# Allegro board 1281021_HW-FMC-XM500_Rev1_0.brd (continued)
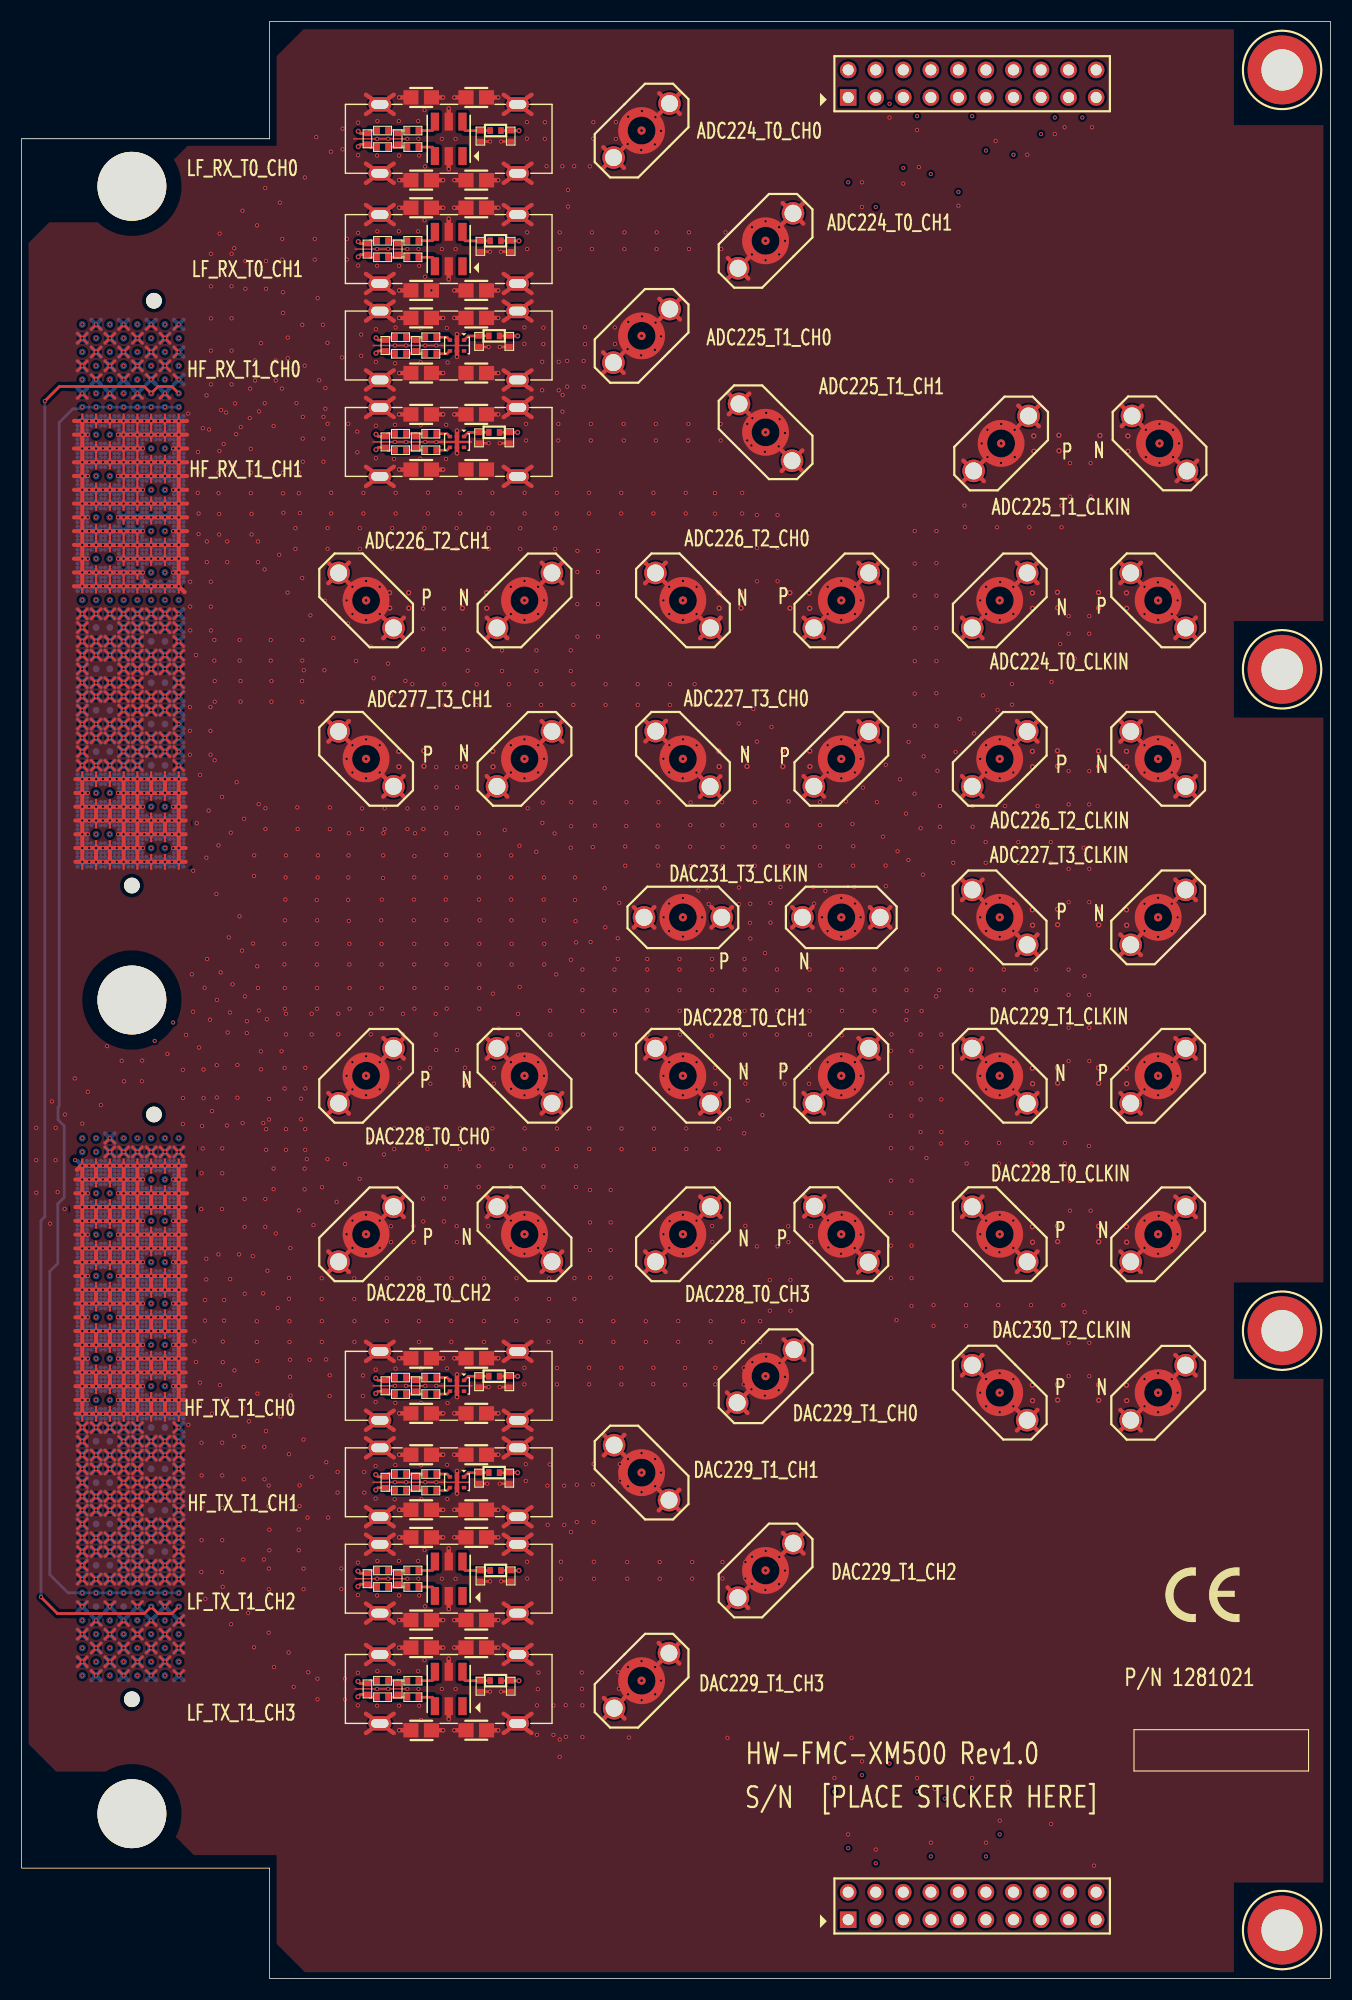
[diagram p0: board, top side]
## Routing (per net, layer and track width the routed paths; a pad name or vN(x,y) marks a point on that pad's centre or on a via; arc(x,y) is an arc through that point) (continued)
14.85,123.6 ; v2(14.48,123.22) 14.85,122.85 ; v2(10.67,124.49) 11.04,124.87 ; v2(10.67,124.49) 10.29,124.12 ; v2(10.67,124.49) 10.29,124.87 ; v2(10.67,124.49) 11.04,124.12 ; v2(11.94,49.5) 12.31,49.87 ; v2(11.94,49.5) 11.56,49.87 ; v2(11.94,49.5) 11.56,49.12 ; v2(11.94,49.5) 12.31,49.12 ; 9.02,47.33 v2(9.4,46.96) ; v2(9.4,46.96) 9.77,46.58 ; v2(9.4,46.96) 9.02,46.58 ; v2(9.4,46.96) 9.77,47.33 ; 7.75,113.96 v2(8.13,114.33) ; v2(8.13,114.33) 8.5,114.71 ; v2(8.13,114.33) 7.75,114.71 ; v2(8.13,114.33) 8.5,113.96 ; 101.42,143.05 J890.2 ; J890.2 103.32,144.95 ; J890.2 103.32,143.05 ; J890.2 101.42,144.95 ; 9.02,122.33 v2(9.4,121.95) ; v2(9.4,121.95) 9.77,121.58 ; v2(9.4,121.95) 9.77,122.33 ; v2(9.4,121.95) 9.02,121.58 ; RFCAGE8.4 34.3,173.61 ; RFCAGE8.4 34.3,171.83 ; RFCAGE8.4 31.74,171.83 ; RFCAGE8.4 31.74,173.61 ; J3.2 72.06,163.63 ; J3.2 72.06,161.73 ; J3.2 70.16,163.63 ; J3.2 70.16,161.73 ; 53.6,149.87 J2.3 ; J2.3 55.51,147.97 ; J2.3 53.6,147.97 ; J2.3 55.51,149.87 ; 5.21,39.71 v2(5.59,39.34) ; v2(5.59,39.34) 5.96,39.71 ; v2(5.59,39.34) 5.21,38.96 ; v2(5.59,39.34) 5.96,38.96 ; J31.2 93.65,128.58 ; J31.2 91.75,130.48 ; J31.2 91.75,128.58 ; J31.2 93.65,130.48 ; 44.44,49.79 RFCAGE3.3 ; RFCAGE3.3 47,48 ; RFCAGE3.3 47,49.79 ; RFCAGE3.3 44.44,48 ; v2(10.67,118.14) 11.04,117.77 ; v2(10.67,118.14) 11.04,118.52 ; v2(10.67,118.14) 10.29,118.52 ; v2(10.67,118.14) 10.29,117.77 ; 14.1,113.96 v2(14.48,114.33) ; v2(14.48,114.33) 14.85,114.71 ; v2(14.48,114.33) 14.85,113.96 ; v2(14.48,114.33) 14.1,114.71 ; v2(14.48,39.34) 14.85,39.71 ; v2(14.48,39.34) 14.1,39.71 ; v2(14.48,39.34) 14.1,38.96 ; v2(14.48,39.34) 14.85,38.96 ; v2(11.94,124.49) 12.31,124.87 ; v2(11.94,124.49) 11.56,124.87 ; v2(11.94,124.49) 11.56,124.12 ; v2(11.94,124.49) 12.31,124.12 ; v2(14.48,149.89) 14.85,150.27 ; v2(14.48,149.89) 14.1,149.52 ; v2(14.48,149.89) 14.85,149.52 ; v2(14.48,149.89) 14.1,150.27 ; v2(14.48,32.99) 14.85,32.61 ; v2(14.48,32.99) 14.1,32.61 ; v2(14.48,32.99) 14.85,33.36 ; v2(14.48,32.99) 14.1,33.36 ; v2(8.13,111.79) 8.5,112.17 ; v2(8.13,111.79) 7.75,111.42 ; v2(8.13,111.79) 7.75,112.17 ; v2(8.13,111.79) 8.5,111.42 ; RFCAGE7.3 47,163.45 ; RFCAGE7.3 44.44,163.45 ; RFCAGE7.3 47,161.67 ; RFCAGE7.3 44.44,161.67 ; 9.02,117.25 v2(9.4,116.87) ; v2(9.4,116.87) 9.02,116.5 ; v2(9.4,116.87) 9.77,116.5 ; v2(9.4,116.87) 9.77,117.25 ; 31.74,167.26 RFCAGE8.1 ; RFCAGE8.1 31.74,165.48 ; RFCAGE8.1 34.3,167.26 ; RFCAGE8.1 34.3,165.48 ; v2(5.59,119.41) 5.96,119.04 ; v2(5.59,119.41) 5.21,119.79 ; v2(5.59,119.41) 5.96,119.79 ; v2(5.59,119.41) 5.21,119.04 ; v2(14.48,115.6) 14.85,115.23 ; v2(14.48,115.6) 14.1,115.23 ; v2(14.48,115.6) 14.85,115.98 ; v2(14.48,115.6) 14.1,115.98 ; v2(10.67,45.69) 11.04,46.06 ; v2(10.67,45.69) 10.29,45.31 ; v2(10.67,45.69) 11.04,45.31 ; v2(10.67,45.69) 10.29,46.06 ; RFCAGE4.4 34.3,56.89 ; RFCAGE4.4 34.3,58.68 ; RFCAGE4.4 31.74,56.89 ; RFCAGE4.4 31.74,58.68 ; 10.29,113.44 v2(10.67,113.06) ; v2(10.67,113.06) 10.29,112.69 ; v2(10.67,113.06) 11.04,112.69 ; v2(10.67,113.06) 11.04,113.44 ; 77.15,128.58 J33.3 ; J33.3 77.15,130.48 ; J33.3 79.05,128.58 ; J33.3 79.05,130.48 ; v2(5.59,36.8) 5.96,36.42 ; v2(5.59,36.8) 5.21,37.17 ; v2(5.59,36.8) 5.21,36.42 ; v2(5.59,36.8) 5.96,37.17 ; v2(9.4,30.45) 9.77,30.07 ; v2(9.4,30.45) 9.77,30.82 ; v2(9.4,30.45) 9.02,30.82 ; v2(9.4,30.45) 9.02,30.07 ; v2(14.48,45.69) 14.85,46.06 ; v2(14.48,45.69) 14.85,45.31 ; v2(14.48,45.69) 14.1,46.06 ; v2(14.48,45.69) 14.1,45.31 ; 10.29,121.06 v2(10.67,120.68) ; v2(10.67,120.68) 10.29,120.31 ; v2(10.67,120.68) 11.04,121.06 ; v2(10.67,120.68) 11.04,120.31 ; 9.02,76.54 v2(9.4,76.17) ; v2(9.4,76.17) 9.77,76.54 ; v2(9.4,76.17) 9.02,75.79 ; v2(9.4,76.17) 9.77,75.79 ; 5.21,46.06 v2(5.59,45.69) ; v2(5.59,45.69) 5.21,45.31 ; v2(5.59,45.69) 5.96,45.31 ; v2(5.59,45.69) 5.96,46.06 ; 86.69,86.67 J895.2 ; J895.2 88.59,84.77 ; J895.2 88.59,86.67 ; J895.2 86.69,84.77 ; 9.02,39.71 v2(9.4,39.34) ; v2(9.4,39.34) 9.02,38.96 ; v2(9.4,39.34) 9.77,38.96 ; v2(9.4,39.34) 9.77,39.71 ; 106.36,125.42 J30.3 ; J30.3 108.26,125.42 ; J30.3 106.36,123.52 ; J30.3 108.26,123.52 ; v2(5.59,118.14) 5.96,118.52 ; v2(5.59,118.14) 5.21,118.52 ; v2(5.59,118.14) 5.21,117.77 ; v2(5.59,118.14) 5.96,117.77 ; 42.87,125.42 J35.2 ; J35.2 42.87,123.52 ; J35.2 44.77,125.42 ; J35.2 44.77,123.52 ; v2(11.94,147.35) 12.31,147.73 ; v2(11.94,147.35) 11.56,147.73 ; v2(11.94,147.35) 11.56,146.98 ; v2(11.94,147.35) 12.31,146.98 ; J40.2 44.77,110.81 ; J40.2 42.87,108.91 ; J40.2 42.87,110.81 ; J40.2 44.77,108.91 ; v2(8.13,119.41) 8.5,119.04 ; v2(8.13,119.41) 7.75,119.04 ; v2(8.13,119.41) 7.75,119.79 ; v2(8.13,119.41) 8.5,119.79 ; 28.27,115.88 J39.2 ; J39.2 28.27,113.98 ; J39.2 30.17,115.88 ; J39.2 30.17,113.98 ; v2(6.86,48.23) 7.23,48.6 ; v2(6.86,48.23) 6.48,48.6 ; v2(6.86,48.23) 7.23,47.85 ; v2(6.86,48.23) 6.48,47.85 ; v2(8.13,148.62) 8.5,148.25 ; v2(8.13,148.62) 8.5,149 ; v2(8.13,148.62) 7.75,149 ; v2(8.13,148.62) 7.75,148.25 ; 11.56,75.79 v2(11.94,76.17) ; v2(11.94,76.17) 12.31,76.54 ; v2(11.94,76.17) 12.31,75.79 ; v2(11.94,76.17) 11.56,76.54 ; v2(13.21,114.33) 13.58,114.71 ; v2(13.21,114.33) 13.58,113.96 ; v2(13.21,114.33) 12.83,114.71 ; v2(13.21,114.33) 12.83,113.96 ; v2(8.13,146.08) 8.5,146.46 ; v2(8.13,146.08) 7.75,146.46 ; v2(8.13,146.08) 8.5,145.71 ; v2(8.13,146.08) 7.75,145.71 ; 5.21,49.87 v2(5.59,49.5) ; v2(5.59,49.5) 5.96,49.87 ; v2(5.59,49.5) 5.21,49.12 ; v2(5.59,49.5) 5.96,49.12 ; v2(10.67,34.26) 11.04,33.88 ; v2(10.67,34.26) 11.04,34.63 ; v2(10.67,34.26) 10.29,33.88 ; v2(10.67,34.26) 10.29,34.63 ; J894.3 108.26,108.91 ; J894.3 106.36,108.91 ; J894.3 106.36,110.81 ; J894.3 108.26,110.81 ; v2(5.59,40.61) 5.96,40.23 ; v2(5.59,40.61) 5.21,40.23 ; v2(5.59,40.61) 5.96,40.98 ; v2(5.59,40.61) 5.21,40.98 ; 53.62,168.77 J4.3 ; J4.3 55.52,166.87 ; J4.3 53.62,166.87 ; J4.3 55.52,168.77 ; v2(11.94,120.68) 12.31,121.06 ; v2(11.94,120.68) 11.56,121.06 ; v2(11.94,120.68) 12.31,120.31 ; v2(11.94,120.68) 11.56,120.31 ; v2(8.13,48.23) 8.5,48.6 ; v2(8.13,48.23) 7.75,48.6 ; v2(8.13,48.23) 7.75,47.85 ; v2(8.13,48.23) 8.5,47.85 ; 14.1,28.28 v2(14.48,27.91) ; v2(14.48,27.91) 14.1,27.53 ; v2(14.48,27.91) 14.85,27.53 ; v2(14.48,27.91) 14.85,28.28 ; J27.3 44.77,84.77 ; J27.3 42.87,84.77 ; J27.3 44.77,86.67 ; J27.3 42.87,86.67 ; J6.2 60.63,30.92 ; J6.2 58.73,29.02 ; J6.2 58.73,30.92 ; J6.2 60.63,29.02 ; v2(8.13,151.16) 8.5,151.54 ; v2(8.13,151.16) 8.5,150.79 ; v2(8.13,151.16) 7.75,150.79 ; v2(8.13,151.16) 7.75,151.54 ; v2(9.4,27.91) 9.77,27.53 ; v2(9.4,27.91) 9.77,28.28 ; v2(9.4,27.91) 9.02,27.53 ; v2(9.4,27.91) 9.02,28.28 ; v2(13.21,38.07) 13.58,37.69 ; v2(13.21,38.07) 12.83,38.44 ; v2(13.21,38.07) 13.58,38.44 ; v2(13.21,38.07) 12.83,37.69 ; 5.21,112.17 v2(5.59,111.79) ; v2(5.59,111.79) 5.96,112.17 ; v2(5.59,111.79) 5.21,111.42 ; v2(5.59,111.79) 5.96,111.42 ; 11.56,152.06 v2(11.94,152.43) ; v2(11.94,152.43) 12.31,152.06 ; v2(11.94,152.43) 12.31,152.81 ; v2(11.94,152.43) 11.56,152.81 ; 11.56,117.25 v2(11.94,116.87) ; v2(11.94,116.87) 11.56,116.5 ; v2(11.94,116.87) 12.31,117.25 ; v2(11.94,116.87) 12.31,116.5 ; v2(5.59,48.23) 5.96,48.6 ; v2(5.59,48.23) 5.21,47.85 ; v2(5.59,48.23) 5.96,47.85 ; v2(5.59,48.23) 5.21,48.6 ; v2(9.4,38.07) 9.77,38.44 ; v2(9.4,38.07) 9.77,37.69 ; v2(9.4,38.07) 9.02,37.69 ; v2(9.4,38.07) 9.02,38.44 ; v2(11.94,113.06) 12.31,113.44 ; v2(11.94,113.06) 11.56,113.44 ; v2(11.94,113.06) 12.31,112.69 ; v2(11.94,113.06) 11.56,112.69 ; J898.3 93.65,50.49 ; J898.3 93.65,52.39 ; J898.3 91.75,52.39 ; J898.3 91.75,50.49 ; v2(9.4,45.69) 9.77,45.31 ; v2(9.4,45.69) 9.02,45.31 ; v2(9.4,45.69) 9.77,46.06 ; v2(9.4,45.69) 9.02,46.06 ; v2(11.94,44.42) 12.31,44.79 ; v2(11.94,44.42) 11.56,44.04 ; v2(11.94,44.42) 12.31,44.04 ; v2(11.94,44.42) 11.56,44.79 ; 5.21,41.5 v2(5.59,41.88) ; v2(5.59,41.88) 5.21,42.25 ; v2(5.59,41.88) 5.96,41.5 ; v2(5.59,41.88) 5.96,42.25 ; v2(11.94,30.45) 12.31,30.07 ; v2(11.94,30.45) 11.56,30.07 ; v2(11.94,30.45) 12.31,30.82 ; v2(11.94,30.45) 11.56,30.82 ; 7.75,33.88 v2(8.13,34.26) ; v2(8.13,34.26) 8.5,33.88 ; v2(8.13,34.26) 8.5,34.63 ; v2(8.13,34.26) 7.75,34.63 ; 5.21,31.34 v2(5.59,31.72) ; v2(5.59,31.72) 5.96,32.09 ; v2(5.59,31.72) 5.21,32.09 ; v2(5.59,31.72) 5.96,31.34 ; J34.3 30.17,130.48 ; J34.3 30.17,128.58 ; J34.3 28.27,130.48 ; J34.3 28.27,128.58 ; J892.3 103.19,94.31 ; J892.3 101.29,94.31 ; J892.3 101.29,96.21 ; J892.3 103.19,96.21 ; 33.33,86.67 J26.2 ; J26.2 35.23,86.67 ; J26.2 33.33,84.77 ; J26.2 35.23,84.77 ; 12.83,121.06 v2(13.21,120.68) ; v2(13.21,120.68) 13.58,120.31 ; v2(13.21,120.68) 13.58,121.06 ; v2(13.21,120.68) 12.83,120.31 ; 7.75,50.39 v2(8.13,50.77) ; v2(8.13,50.77) 8.5,51.14 ; v2(8.13,50.77) 8.5,50.39 ; v2(8.13,50.77) 7.75,51.14 ; v2(8.13,40.61) 8.5,40.23 ; v2(8.13,40.61) 7.75,40.23 ; v2(8.13,40.61) 7.75,40.98 ; v2(8.13,40.61) 8.5,40.98 ; J36.3 59.4,114 ; J36.3 57.5,115.9 ; J36.3 57.5,114 ; J36.3 59.4,115.9 ; 101.29,65.1 J29.2 ; J29.2 103.19,67 ; J29.2 103.19,65.1 ; J29.2 101.29,67 ; v2(5.59,123.22) 5.96,122.85 ; v2(5.59,123.22) 5.21,122.85 ; v2(5.59,123.22) 5.21,123.6 ; v2(5.59,123.22) 5.96,123.6 ; 14.1,49.12 v2(14.48,49.5) ; v2(14.48,49.5) 14.85,49.87 ; v2(14.48,49.5) 14.1,49.87 ; v2(14.48,49.5) 14.85,49.12 ; v2(13.21,113.06) 13.58,112.69 ; v2(13.21,113.06) 12.83,112.69 ; v2(13.21,113.06) 12.83,113.44 ; v2(13.21,113.06) 13.58,113.44 ; v2(13.21,34.26) 13.58,33.88 ; v2(13.21,34.26) 12.83,34.63 ; v2(13.21,34.26) 13.58,34.63 ; v2(13.21,34.26) 12.83,33.88 ; 7.75,43.52 v2(8.13,43.15) ; v2(8.13,43.15) 8.5,42.77 ; v2(8.13,43.15) 7.75,42.77 ; v2(8.13,43.15) 8.5,43.52 ; RFCAGE2.4 34.3,40.9 ; RFCAGE2.4 34.3,39.11 ; RFCAGE2.4 31.74,40.9 ; RFCAGE2.4 31.74,39.11 ; 6.48,40.98 v2(6.86,40.61) ; v2(6.86,40.61) 6.48,40.23 ; v2(6.86,40.61) 7.23,40.23 ; v2(6.86,40.61) 7.23,40.98 ; 31.74,30.74 RFCAGE1.4 ; RFCAGE1.4 31.74,28.95 ; RFCAGE1.4 34.3,30.74 ; RFCAGE1.4 34.3,28.95 ; v2(6.86,27.91) 7.23,27.53 ; v2(6.86,27.91) 6.48,27.53 ; v2(6.86,27.91) 6.48,28.28 ; v2(6.86,27.91) 7.23,28.28 ; 7.75,28.8 v2(8.13,29.18) ; v2(8.13,29.18) 7.75,29.55 ; v2(8.13,29.18) 8.5,28.8 ; v2(8.13,29.18) 8.5,29.55 ; 10.29,41.5 v2(10.67,41.88) ; v2(10.67,41.88) 11.04,42.25 ; v2(10.67,41.88) 10.29,42.25 ; v2(10.67,41.88) 11.04,41.5 ; v2(13.21,31.72) 13.58,31.34 ; v2(13.21,31.72) 12.83,31.34 ; v2(13.21,31.72) 13.58,32.09 ; v2(13.21,31.72) 12.83,32.09 ; 10.29,29.55 v2(10.67,29.18) ; v2(10.67,29.18) 10.29,28.8 ; v2(10.67,29.18) 11.04,28.8 ; v2(10.67,29.18) 11.04,29.55 ; v2(13.21,76.17) 13.58,75.79 ; v2(13.21,76.17) 13.58,76.54 ; v2(13.21,76.17) 12.83,76.54 ; v2(13.21,76.17) 12.83,75.79 ; J891.3 88.59,101.27 ; J891.3 86.69,99.37 ; J891.3 88.59,99.37 ; J891.3 86.69,101.27 ; 12.83,116.5 v2(13.21,116.87) ; v2(13.21,116.87) 13.58,116.5 ; v2(13.21,116.87) 13.58,117.25 ; v2(13.21,116.87) 12.83,117.25 ; v2(11.94,41.88) 12.31,42.25 ; v2(11.94,41.88) 12.31,41.5 ; v2(11.94,41.88) 11.56,41.5 ; v2(11.94,41.88) 11.56,42.25 ; 10.29,126.14 v2(10.67,125.76) ; v2(10.67,125.76) 11.04,125.39 ; v2(10.67,125.76) 10.29,125.39 ; v2(10.67,125.76) 11.04,126.14 ; v2(10.67,39.34) 11.04,38.96 ; v2(10.67,39.34) 10.29,38.96 ; v2(10.67,39.34) 11.04,39.71 ; v2(10.67,39.34) 10.29,39.71 ; v2(9.4,32.99) 9.77,33.36 ; v2(9.4,32.99) 9.02,33.36 ; v2(9.4,32.99) 9.77,32.61 ; v2(9.4,32.99) 9.02,32.61 ; 5.21,151.54 v2(5.59,151.16) ; v2(5.59,151.16) 5.96,150.79 ; v2(5.59,151.16) 5.21,150.79 ; v2(5.59,151.16) 5.96,151.54 ; 11.56,117.77 v2(11.94,118.14) ; v2(11.94,118.14) 12.31,117.77 ; v2(11.94,118.14) 12.31,118.52 ; v2(11.94,118.14) 11.56,118.52 ; v2(10.67,119.41) 11.04,119.04 ; v2(10.67,119.41) 10.29,119.79 ; v2(10.67,119.41) 10.29,119.04 ; v2(10.67,119.41) 11.04,119.79 ; 44.44,148.21 RFCAGE6.2 ; RFCAGE6.2 47,148.21 ; RFCAGE6.2 44.44,146.43 ; RFCAGE6.2 47,146.43 ; 7.75,36.42 v2(8.13,36.8) ; v2(8.13,36.8) 7.75,37.17 ; v2(8.13,36.8) 8.5,36.42 ; v2(8.13,36.8) 8.5,37.17 ; v2(13.21,45.69) 13.58,45.31 ; v2(13.21,45.69) 12.83,45.31 ; v2(13.21,45.69) 13.58,46.06 ; v2(13.21,45.69) 12.83,46.06 ; J37.2 79.05,113.98 ; J37.2 77.15,115.88 ; J37.2 77.15,113.98 ; J37.2 79.05,115.88 ; v2(14.48,116.87) 14.85,116.5 ; v2(14.48,116.87) 14.85,117.25 ; v2(14.48,116.87) 14.1,116.5 ; v2(14.48,116.87) 14.1,117.25 ; 12.83,118.52 v2(13.21,118.14) ; v2(13.21,118.14) 12.83,117.77 ; v2(13.21,118.14) 13.58,117.77 ; v2(13.21,118.14) 13.58,118.52 ; 11.56,27.53 v2(11.94,27.91) ; v2(11.94,27.91) 11.56,28.28 ; v2(11.94,27.91) 12.31,28.28 ; v2(11.94,27.91) 12.31,27.53 ; v2(5.59,115.6) 5.96,115.23 ; v2(5.59,115.6) 5.21,115.23 ; v2(5.59,115.6) 5.96,115.98 ; v2(5.59,115.6) 5.21,115.98 ; RFCAGE6.3 47,152.78 ; RFCAGE6.3 44.44,152.78 ; RFCAGE6.3 44.44,154.56 ; RFCAGE6.3 47,154.56 ; 9.02,115.98 v2(9.4,115.6) ; v2(9.4,115.6) 9.02,115.23 ; v2(9.4,115.6) 9.77,115.98 ; v2(9.4,115.6) 9.77,115.23 ; v2(14.48,30.45) 14.85,30.82 ; v2(14.48,30.45) 14.1,30.07 ; v2(14.48,30.45) 14.1,30.82 ; v2(14.48,30.45) 14.85,30.07 ; v2(13.21,36.8) 13.58,37.17 ; v2(13.21,36.8) 13.58,36.42 ; v2(13.21,36.8) 12.83,36.42 ; v2(13.21,36.8) 12.83,37.17 ; 5.21,29.55 v2(5.59,29.18) ; v2(5.59,29.18) 5.96,28.8 ; v2(5.59,29.18) 5.21,28.8 ; v2(5.59,29.18) 5.96,29.55 ; 9.02,149.52 v2(9.4,149.89) ; v2(9.4,149.89) 9.77,149.52 ; v2(9.4,149.89) 9.77,150.27 ; v2(9.4,149.89) 9.02,150.27 ; 6.48,152.81 v2(6.86,152.43) ; v2(6.86,152.43) 6.48,152.06 ; v2(6.86,152.43) 7.23,152.06 ; v2(6.86,152.43) 7.23,152.81 ; J8.3 55.57,48.19 ; J8.3 53.67,50.09 ; J8.3 55.57,50.09 ; J8.3 53.67,48.19 ; J893.2 93.65,115.88 ; J893.2 91.75,113.98 ; J893.2 93.65,113.98 ; J893.2 91.75,115.88 ; 10.29,44.04 v2(10.67,44.42) ; v2(10.67,44.42) 11.04,44.04 ; v2(10.67,44.42) 11.04,44.79 ; v2(10.67,44.42) 10.29,44.79 ; 31.74,161.67 RFCAGE7.4 ; RFCAGE7.4 31.74,163.45 ; RFCAGE7.4 34.3,163.45 ; RFCAGE7.4 34.3,161.67 ; RFCAGE2.1 34.3,34.55 ; RFCAGE2.1 31.74,32.76 ; RFCAGE2.1 31.74,34.55 ; RFCAGE2.1 34.3,32.76 ; v2(11.94,32.99) 12.31,32.61 ; v2(11.94,32.99) 12.31,33.36 ; v2(11.94,32.99) 11.56,33.36 ; v2(11.94,32.99) 11.56,32.61 ; v2(5.59,121.95) 5.96,121.58 ; v2(5.59,121.95) 5.21,122.33 ; v2(5.59,121.95) 5.96,122.33 ; v2(5.59,121.95) 5.21,121.58 ; 6.48,147.73 v2(6.86,147.35) ; v2(6.86,147.35) 6.48,146.98 ; v2(6.86,147.35) 7.23,147.73 ; v2(6.86,147.35) 7.23,146.98 ; J8.2 60.63,45.03 ; J8.2 58.73,43.13 ; J8.2 58.73,45.03 ; J8.2 60.63,43.13 ; 62.54,123.52 J32.2 ; J32.2 64.44,125.42 ; J32.2 64.44,123.52 ; J32.2 62.54,125.42 ; 10.29,48.6 v2(10.67,48.23) ; v2(10.67,48.23) 10.29,47.85 ; v2(10.67,48.23) 11.04,48.6 ; v2(10.67,48.23) 11.04,47.85 ; 12.83,49.12 v2(13.21,49.5) ; v2(13.21,49.5) 13.58,49.12 ; v2(13.21,49.5) 13.58,49.87 ; v2(13.21,49.5) 12.83,49.87 ; 6.48,42.77 v2(6.86,43.15) ; v2(6.86,43.15) 7.23,43.52 ; v2(6.86,43.15) 6.48,43.52 ; v2(6.86,43.15) 7.23,42.77 ; J895.3 93.65,81.6 ; J895.3 93.65,79.7 ; J895.3 91.75,81.6 ; J895.3 91.75,79.7 ; v2(14.48,38.07) 14.85,37.69 ; v2(14.48,38.07) 14.1,37.69 ; v2(14.48,38.07) 14.85,38.44 ; v2(14.48,38.07) 14.1,38.44 ; 47.94,65.1 J23.2 ; J23.2 49.84,67 ; J23.2 49.84,65.1 ; J23.2 47.94,67 ; J897.2 103.19,52.39 ; J897.2 103.19,50.49 ; J897.2 101.29,50.49 ; J897.2 101.29,52.39